# Altium PCB UmTRXv2.PcbDoc (part 23 of 25)
Units mm, origin at the board's own origin, x right, y up, seen from the top; angles counter-clockwise.
Board outline 159.5 x 99.5 mm, 6 copper layers (Top Layer, GND, MidLayer1, Mid-Layer 2, InternalPlane2, Bottom Layer), stack 1.526 mm thick; 708 components, 578 nets, 2802 pads, 1408 vias.
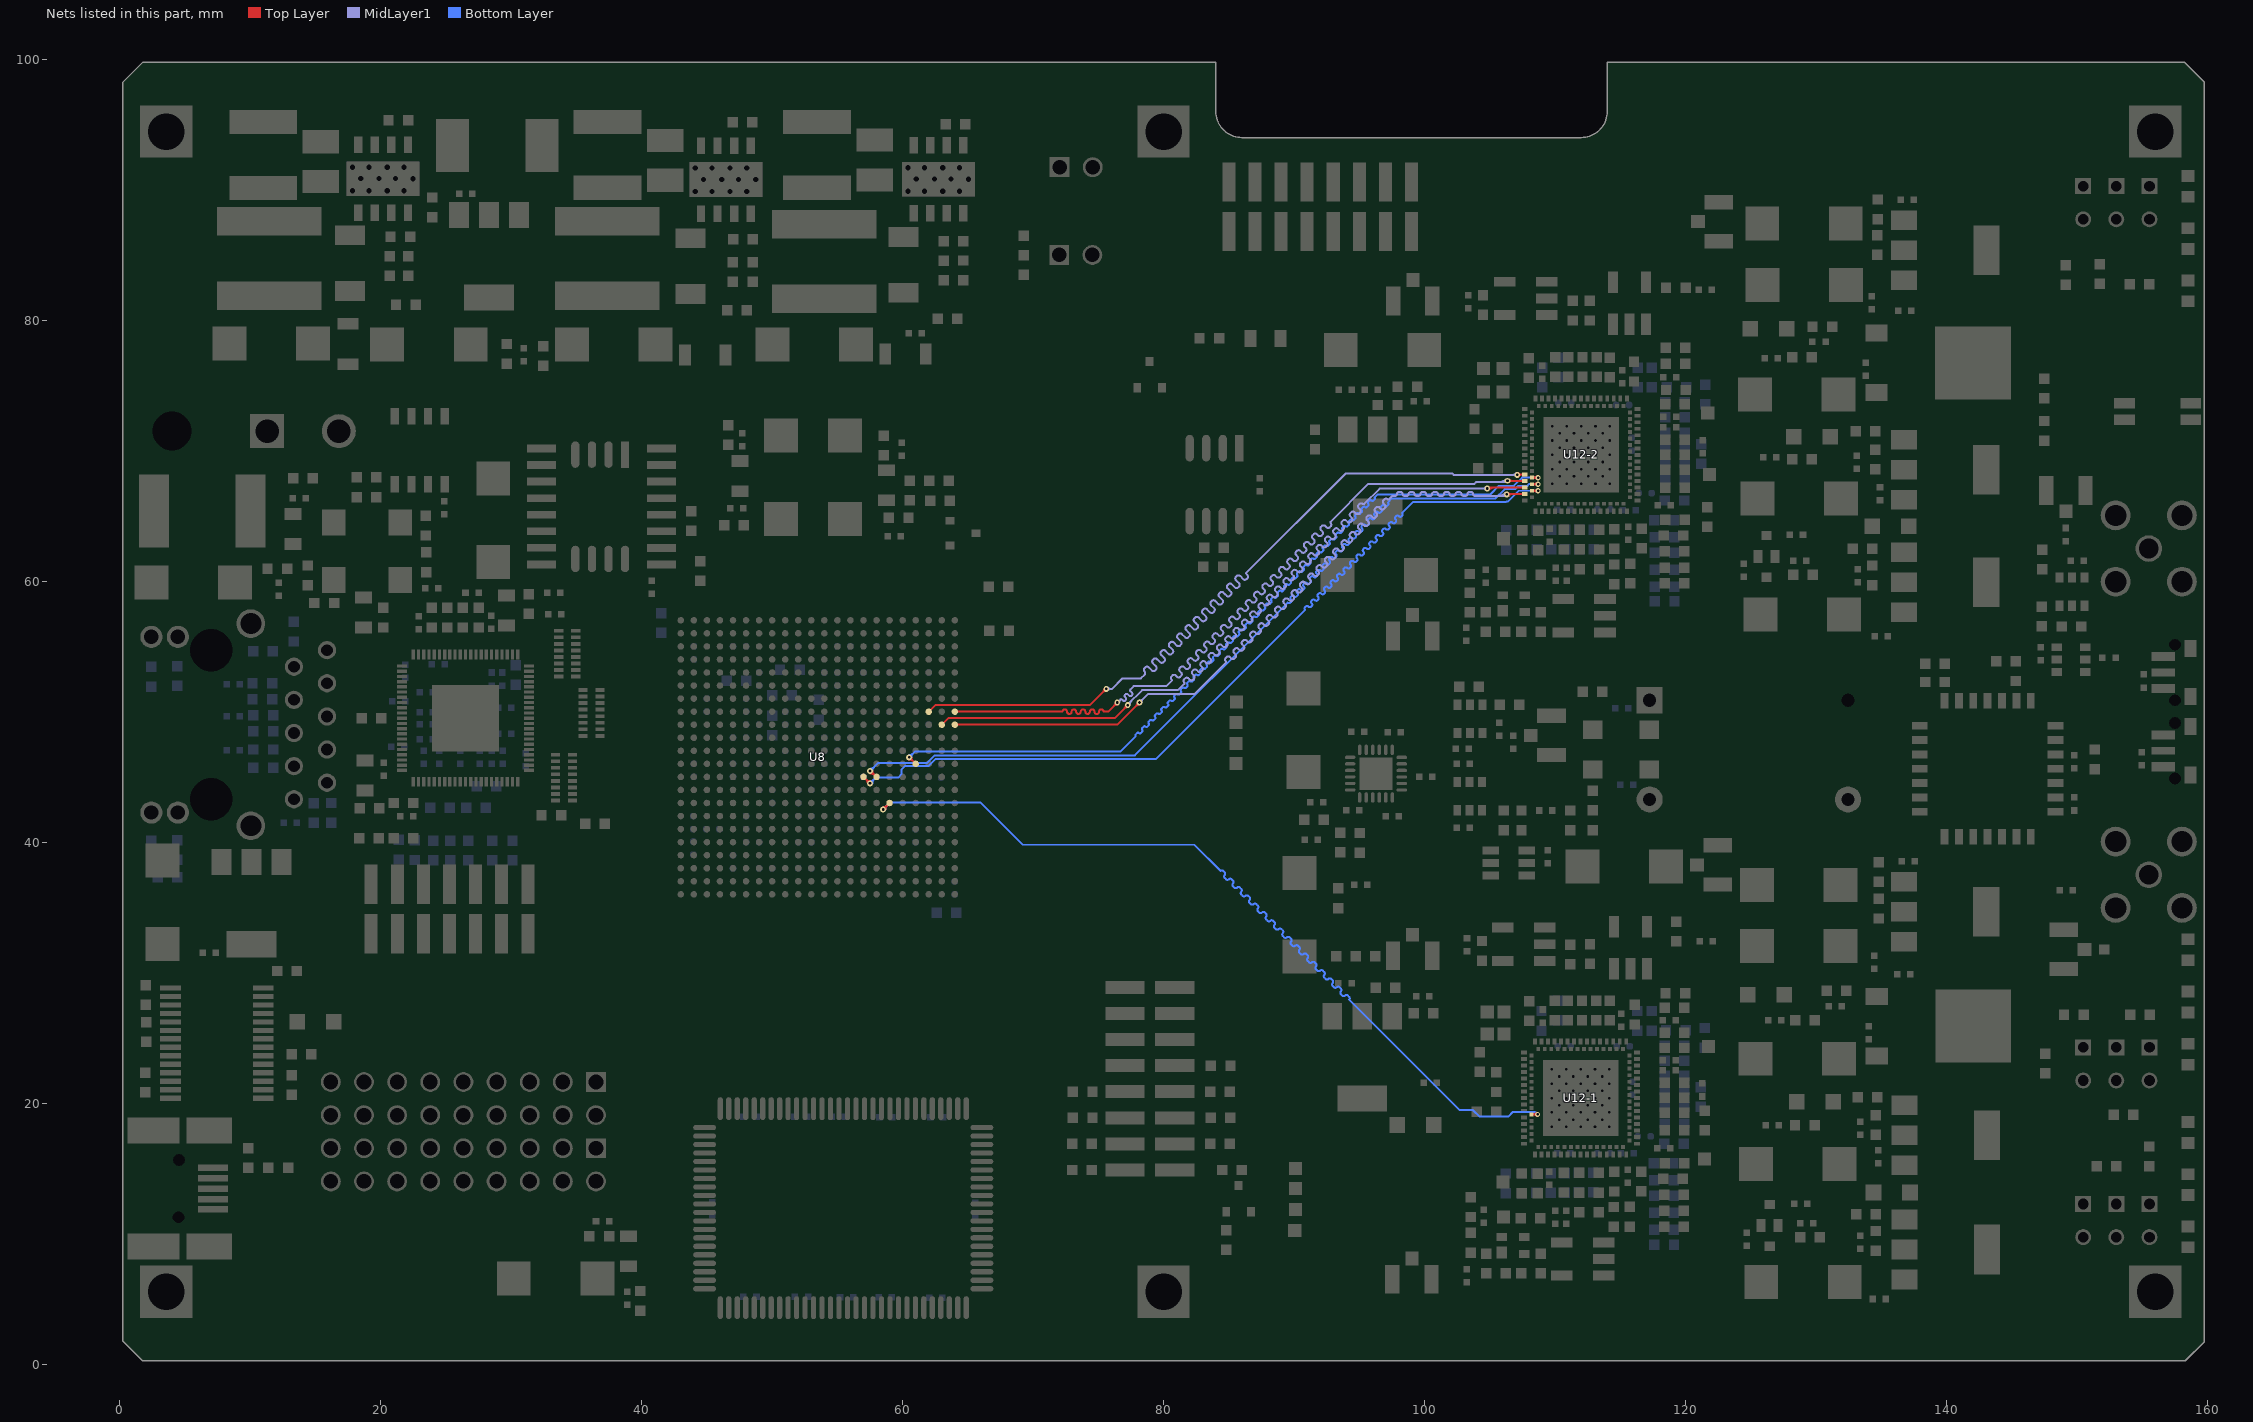
[diagram p27: the nets of this part, all layers, seen from the top]

## Via types
v1: diameter 0.5, hole 0.2, Top Layer to Bottom Layer, tented both sides, 441 vias
v2: diameter 0.45, hole 0.2, Top Layer to Bottom Layer, tented both sides, 429 vias
v3: diameter 0.7, hole 0.3, Top Layer to Bottom Layer, tented both sides, 258 vias
v4: diameter 0.4, hole 0.2, Top Layer to Bottom Layer, tented both sides, 197 vias
v5: diameter 0.8, hole 0.3, Top Layer to Bottom Layer, tented both sides, 61 vias
v6: diameter 0.6, hole 0.25, Top Layer to Bottom Layer, tented both sides, 16 vias
v7: diameter 0.6, hole 0.3, Top Layer to Bottom Layer, tented both sides, 4 vias
v8: diameter 1, hole 0.5, Top Layer to Bottom Layer, tented both sides, 2 vias

## Nets (pads, with @x,y where several pads share a name; then routed paths per layer and width w, separated by ;. In a path a pad name is that pad's centre, name@x,y a point inside that pad or via, vN(x,y) a via of type N, cw(c..) or ccw(c..) an arc to the next point about the centre after c; other vN are vias at no path point) (continued)
TX1IQSEL: U8.H6 U12-1.20 | length 76.3
  Top Layer w0.15: v2@58.5,42.675 ccw(c58.5,43.097) 58.799,42.799 ccw(c59.097,42.5) v2@58.675,42.5 ; 58.689,42.701 ccw(c58.757,42.447) v2(58.5,42.5) ; 58.701,42.689 cw(c58.447,42.757) v2(58.5,42.5) ; U8.H6@59,43 v2(58.5,42.5) ; v2(58.5,42.5) ccw(c58.409,42.83) 58.74,42.741 cw(c58.409,42.83) v2(58.5,42.5) ; v2(58.5,42.5) cw(c58.83,42.409) 58.741,42.74 ccw(c58.83,42.409) v2(58.5,42.5) ; 58.756,42.756 cw(c58.5,43.012) 58.5,42.65 ccw(c58.5,43.012) 58.756,42.756 ; 58.756,42.756 ccw(c59.012,42.5) 58.65,42.5 cw(c59.012,42.5) 58.756,42.756
  Top Layer w0.2: U12-1.20@108.207,19.138 v4@108.632,19.138 ; 108.416,19.138 cw(c108.416,18.897) v4@108.586,19.067 ; 108.416,19.138 ccw(c108.416,19.379) v4@108.586,19.209 ; 108.416,19.138 ccw(c108.416,19.379) v4@108.586,19.209 ; 108.416,19.138 cw(c108.416,18.897) v4@108.586,19.067 ; 108.416,19.138 ccw(c108.416,19.379) v4@108.586,19.209 ; 108.416,19.138 cw(c108.416,18.897) v4@108.586,19.067
  Bottom Layer w0.15: v2@58.5,42.675 ccw(c58.5,43.097) 58.799,42.799 ccw(c59.097,42.5) v2@58.675,42.5 ; v4(108.657,19.138) 108.627,19.138 108.445,19.32 ; v2(58.5,42.5) ccw(c58.409,42.83) 58.74,42.741 cw(c58.409,42.83) v2(58.5,42.5) ; v2(58.5,42.5) cw(c58.83,42.409) 58.741,42.74 ccw(c58.83,42.409) v2(58.5,42.5) ; v2(58.5,42.5) 59.025,43.025 65.971,43.025 69.196,39.8 82.35,39.8 84.359,37.791 cw(c84.465,37.685) 84.571,37.791 84.677,37.685 cw(c84.571,37.579) 84.677,37.473 ccw(c84.783,37.367) 84.677,37.261 84.783,37.155 ccw(c84.889,37.261) 84.995,37.155 cw(c85.102,37.048) 85.208,37.155 85.314,37.048 cw(c85.208,36.942) 85.314,36.836 ccw(c85.42,36.73) 85.314,36.624 85.42,36.518 ccw(c85.526,36.624) 85.632,36.518 cw(c85.738,36.412) 85.844,36.518 85.95,36.412 cw(c85.844,36.306) 85.95,36.2 ccw(c86.056,36.094) 85.95,35.988 86.056,35.882 ccw(c86.162,35.988) 86.268,35.882 cw(c86.374,35.776) 86.48,35.882 86.586,35.776 cw(c86.48,35.67) 86.586,35.564 ccw(c86.693,35.457) 86.586,35.351 86.693,35.245 ccw(c86.799,35.351) 86.905,35.245 cw(c87.011,35.139) 87.117,35.245 87.223,35.139 cw(c87.117,35.033) 87.223,34.927 ccw(c87.329,34.821) 87.223,34.715 87.329,34.609 ccw(c87.435,34.715) 87.541,34.609 cw(c87.647,34.503) 87.753,34.609 87.859,34.503 cw(c87.753,34.397) 87.859,34.291 ccw(c87.965,34.185) 87.859,34.079 87.965,33.973 ccw(c88.071,34.079) 88.177,33.973 cw(c88.284,33.866) 88.39,33.973 88.496,33.866 cw(c88.39,33.76) 88.496,33.654 ccw(c88.602,33.548) 88.496,33.442 88.602,33.336 ccw(c88.708,33.442) 88.814,33.336 cw(c88.92,33.23) 89.026,33.336 89.132,33.23 cw(c89.026,33.124) 89.132,33.018 ccw(c89.238,32.912) 89.132,32.806 89.238,32.7 ccw(c89.344,32.806) 89.45,32.7 cw(c89.556,32.594) 89.662,32.7 89.768,32.594 cw(c89.662,32.488) 89.768,32.382 ccw(c89.875,32.275) 89.768,32.169 89.875,32.063 ccw(c89.981,32.169) 90.087,32.063 cw(c90.193,31.957) 90.299,32.063 90.405,31.957 cw(c90.299,31.851) 90.405,31.745 ccw(c90.511,31.639) 90.405,31.533 90.511,31.427 ccw(c90.617,31.533) 90.723,31.427 cw(c90.829,31.321) 90.935,31.427 91.041,31.321 cw(c90.935,31.215) 91.041,31.109 ccw(c91.147,31.003) 91.041,30.897 91.147,30.791 ccw(c91.253,30.897) 91.359,30.791 cw(c91.466,30.684) 91.572,30.791 91.678,30.684 cw(c91.572,30.578) 91.678,30.472 ccw(c91.784,30.366) 91.678,30.26 91.784,30.154 ccw(c91.89,30.26) 91.996,30.154 cw(c92.102,30.048) 92.208,30.154 92.314,30.048 cw(c92.208,29.942) 92.314,29.836 ccw(c92.42,29.73) 92.314,29.624 92.42,29.518 ccw(c92.526,29.624) 92.632,29.518 cw(c92.738,29.412) 92.844,29.518 92.95,29.412 cw(c92.844,29.306) 92.95,29.2 ccw(c93.056,29.094) 92.95,28.987 93.056,28.881 ccw(c93.163,28.987) 93.269,28.881 cw(c93.375,28.775) 93.481,28.881 93.587,28.775 cw(c93.481,28.669) 93.587,28.563 ccw(c93.693,28.457) 93.587,28.351 93.693,28.245 ccw(c93.799,28.351) 93.905,28.245 cw(c94.011,28.139) 94.117,28.245 94.223,28.139 cw(c94.117,28.033) 94.223,27.927 102.692,19.458 103.427,19.458 103.44,19.472 103.7,19.472 104.211,18.96 106.411,18.96 106.771,19.32 108.445,19.32 ; 58.756,42.756 cw(c58.5,43.012) 58.5,42.65 ccw(c58.5,43.012) 58.756,42.756 ; 58.756,42.756 ccw(c59.012,42.5) 58.65,42.5 cw(c59.012,42.5) 58.756,42.756 ; 108.445,19.32 ccw(c108.596,19.472) v4@108.634,19.261 ; 108.445,19.32 ccw(c108.596,19.472) v4@108.634,19.261 ; 108.445,19.32 ccw(c108.596,19.472) v4@108.634,19.261 ; 108.465,19.3 cw(c108.303,19.138) v4@108.532,19.138 ; 108.465,19.3 cw(c108.303,19.138) v4@108.532,19.138 ; 108.465,19.3 cw(c108.303,19.138) v4@108.532,19.138
TX2D0: U8.R3 U12-2.21 | length 75.2
  Top Layer w0.15: U8.R3@62,50 62.5,50.5 74.35,50.5 v2(75.6,51.75) ; v2(107.1,68.15) 107.062,68.15 v2@107.032,68.18 ; U12-2.21@107.671,68.18 v2@107.032,68.18 ; 75.344,51.494 cw(c75.6,51.238) v2@75.6,51.6 ; 75.344,51.494 ccw(c75.088,51.75) v2@75.45,51.75 ; 75.344,51.494 ccw(c75.088,51.75) v2@75.45,51.75 ; 75.344,51.494 cw(c75.6,51.238) v2@75.6,51.6 ; 75.344,51.494 ccw(c75.088,51.75) v2@75.45,51.75 ; 75.344,51.494 cw(c75.6,51.238) v2@75.6,51.6 ; 75.399,51.561 cw(c75.653,51.493) v2(75.6,51.75) ; 75.399,51.561 cw(c75.653,51.493) v2(75.6,51.75) ; 75.399,51.561 cw(c75.653,51.493) v2(75.6,51.75) ; 75.411,51.549 ccw(c75.343,51.803) v2(75.6,51.75) ; 75.411,51.549 ccw(c75.343,51.803) v2(75.6,51.75) ; 75.411,51.549 ccw(c75.343,51.803) v2(75.6,51.75) ; v2@107.032,68.18 107.03,68.18 107,68.15 107,68.2 107,68.212 v2@107.032,68.18 ; v2@107.206,68.044 cw(c107.534,67.716) U12-2.21@107.534,68.18 ; v2@107.206,68.044 cw(c107.534,67.716) U12-2.21@107.534,68.18 ; v2@107.206,68.044 cw(c107.534,67.716) U12-2.21@107.534,68.18 ; v2@107.206,68.256 ccw(c107.39,68.44) 107.39,68.18 ; v2@107.206,68.256 ccw(c107.39,68.44) 107.39,68.18 ; v2@107.206,68.256 ccw(c107.39,68.44) 107.39,68.18
  MidLayer1 w0.15: v2(75.6,51.75) 76.05,51.75 76.85,52.55 78.25,52.55 78.539,52.839 ccw(c78.419,52.959) 78.539,53.079 cw(c78.666,53.207) 78.539,53.334 78.603,53.398 cw(c78.73,53.27) 78.857,53.398 78.977,53.277 79.098,53.157 ccw(c79.225,53.284) 79.352,53.157 79.416,53.221 ccw(c79.288,53.348) 79.416,53.475 79.175,53.716 cw(c79.303,53.843) 79.175,53.97 79.239,54.034 cw(c79.366,53.907) 79.493,54.034 79.614,53.914 79.734,53.793 ccw(c79.861,53.921) 79.988,53.793 80.052,53.857 ccw(c79.925,53.984) 80.052,54.112 79.932,54.232 79.812,54.352 cw(c79.939,54.479) 79.812,54.607 79.875,54.67 cw(c80.003,54.543) 80.13,54.67 80.25,54.55 80.37,54.43 ccw(c80.498,54.557) 80.625,54.43 80.688,54.494 ccw(c80.561,54.621) 80.688,54.748 80.568,54.868 80.448,54.988 cw(c80.575,55.116) 80.448,55.243 80.512,55.307 cw(c80.639,55.179) 80.766,55.307 81.007,55.066 ccw(c81.134,55.194) 81.261,55.066 81.325,55.13 ccw(c81.198,55.257) 81.325,55.384 81.205,55.505 81.084,55.625 cw(c81.212,55.752) 81.084,55.879 81.148,55.943 cw(c81.275,55.816) 81.403,55.943 81.643,55.703 ccw(c81.77,55.83) 81.898,55.703 81.961,55.766 ccw(c81.834,55.894) 81.961,56.021 81.841,56.141 81.721,56.261 cw(c81.848,56.389) 81.721,56.516 81.785,56.579 cw(c81.912,56.452) 82.039,56.579 82.159,56.459 82.279,56.339 ccw(c82.407,56.466) 82.534,56.339 82.598,56.403 ccw(c82.47,56.53) 82.598,56.657 82.477,56.777 82.357,56.898 cw(c82.485,57.025) 82.357,57.152 82.421,57.216 cw(c82.548,57.089) 82.675,57.216 82.796,57.096 82.916,56.975 ccw(c83.043,57.103) 83.17,56.975 83.234,57.039 ccw(c83.107,57.166) 83.234,57.294 82.994,57.534 cw(c83.121,57.661) 82.994,57.789 83.057,57.852 cw(c83.185,57.725) 83.312,57.852 83.432,57.732 83.552,57.612 ccw(c83.68,57.739) 83.807,57.612 83.87,57.675 ccw(c83.743,57.803) 83.87,57.93 83.63,58.17 cw(c83.757,58.298) 83.63,58.425 83.694,58.489 cw(c83.821,58.361) 83.948,58.489 84.068,58.368 84.189,58.248 ccw(c84.316,58.376) 84.443,58.248 84.507,58.312 ccw(c84.38,58.439) 84.507,58.566 84.387,58.687 84.266,58.807 cw(c84.394,58.934) 84.266,59.061 84.33,59.125 cw(c84.457,58.998) 84.585,59.125 84.705,59.005 84.825,58.885 ccw(c84.952,59.012) 85.08,58.885 85.143,58.948 ccw(c85.016,59.076) 85.143,59.203 85.023,59.323 84.903,59.443 cw(c85.03,59.571) 84.903,59.698 84.966,59.761 cw(c85.094,59.634) 85.221,59.761 85.461,59.521 ccw(c85.589,59.648) 85.716,59.521 85.78,59.585 ccw(c85.652,59.712) 85.78,59.839 85.659,59.959 85.539,60.08 cw(c85.667,60.207) 85.539,60.334 85.603,60.398 cw(c85.73,60.271) 85.857,60.398 86.098,60.157 ccw(c86.225,60.285) 86.352,60.157 86.416,60.221 ccw(c86.289,60.348) 86.416,60.476 86.296,60.596 93.95,68.25 102.125,68.25 102.225,68.15 107,68.15 107,68.212 107.062,68.15 v2(107.1,68.15) ; v2@75.706,51.644 cw(c75.962,51.388) 75.962,51.75 ; v2@75.706,51.644 cw(c75.962,51.388) 75.962,51.75 ; v2@75.706,51.644 cw(c75.962,51.388) 75.962,51.75 ; v2@75.706,51.856 ccw(c75.962,52.112) 75.962,51.75 ; v2@75.706,51.856 ccw(c75.962,52.112) 75.962,51.75 ; v2@75.706,51.856 ccw(c75.962,52.112) 75.962,51.75 ; 106.738,68.15 ccw(c106.738,68.512) v2@106.994,68.256 ; 106.738,68.15 ccw(c106.738,68.512) v2@106.994,68.256 ; 106.738,68.15 ccw(c106.738,68.512) v2@106.994,68.256 ; 106.738,68.15 cw(c106.738,67.788) v2@106.994,68.044 ; 106.738,68.15 cw(c106.738,67.788) v2@106.994,68.044 ; 106.738,68.15 cw(c106.738,67.788) v2@106.994,68.044
TX2D1: U8.L4 U12-2.22 | length 76.2
  Top Layer w0.15: v2@60.5,46.325 cw(c60.5,45.903) 60.799,46.201 cw(c61.097,46.5) v2@60.675,46.5 ; 60.689,46.299 cw(c60.757,46.553) v2(60.5,46.5) ; 60.701,46.311 ccw(c60.447,46.243) v2(60.5,46.5) ; U8.L4@61,46 v2(60.5,46.5) ; v2(60.5,46.5) ccw(c60.83,46.591) 60.741,46.26 cw(c60.83,46.591) v2(60.5,46.5) ; v2(60.5,46.5) cw(c60.409,46.17) 60.74,46.259 ccw(c60.409,46.17) v2(60.5,46.5) ; 60.756,46.244 cw(c61.012,46.5) 60.65,46.5 ccw(c61.012,46.5) 60.756,46.244 ; 60.756,46.244 ccw(c60.5,45.988) 60.5,46.35 cw(c60.5,45.988) 60.756,46.244
  Top Layer w0.2: U12-2.22@108.246,67.93 v4@108.671,67.93 ; 108.455,67.93 cw(c108.455,67.688) v4@108.625,67.859 ; 108.455,67.93 ccw(c108.455,68.171) v4@108.625,68.001 ; 108.455,67.93 ccw(c108.455,68.171) v4@108.625,68.001 ; 108.455,67.93 cw(c108.455,67.688) v4@108.625,67.859 ; 108.455,67.93 ccw(c108.455,68.171) v4@108.625,68.001 ; 108.455,67.93 cw(c108.455,67.688) v4@108.625,67.859
  Bottom Layer w0.15: v2@60.5,46.675 ccw(c60.5,47.097) 60.799,46.799 ccw(c61.097,46.5) v2@60.675,46.5 ; 78.357,48.749 ccw(c78.428,48.678) 78.357,48.607 cw(c78.286,48.536) 78.357,48.466 78.251,48.36 cw(c78.18,48.43) 78.11,48.36 ccw(c78.039,48.289) 77.968,48.36 77.862,48.254 ccw(c77.933,48.183) 77.862,48.112 76.7,46.95 60.95,46.95 v2(60.5,46.5) ; 78.357,48.749 78.463,48.855 cw(c78.534,48.784) 78.605,48.855 ccw(c78.675,48.925) 78.746,48.855 78.852,48.961 ccw(c78.781,49.031) 78.852,49.102 cw(c78.923,49.173) 78.852,49.244 78.958,49.35 cw(c79.029,49.279) 79.1,49.35 ccw(c79.17,49.42) 79.241,49.35 79.347,49.456 ccw(c79.276,49.526) 79.347,49.597 cw(c79.418,49.668) 79.347,49.739 79.453,49.845 cw(c79.524,49.774) 79.595,49.845 ccw(c79.665,49.915) 79.736,49.845 79.842,49.951 ccw(c79.771,50.021) 79.842,50.092 cw(c79.913,50.163) 79.842,50.234 79.948,50.34 cw(c80.019,50.269) 80.09,50.34 ccw(c80.16,50.41) 80.231,50.34 80.337,50.446 ccw(c80.266,50.516) 80.337,50.587 cw(c80.408,50.658) 80.337,50.729 80.443,50.835 cw(c80.514,50.764) 80.585,50.835 ccw(c80.655,50.905) 80.726,50.835 80.832,50.941 ccw(c80.761,51.011) 80.832,51.082 cw(c80.903,51.153) 80.832,51.223 80.938,51.33 cw(c81.009,51.259) 81.08,51.33 ccw(c81.15,51.4) 81.221,51.33 81.327,51.436 ccw(c81.256,51.506) 81.327,51.577 cw(c81.398,51.648) 81.327,51.718 81.433,51.825 cw(c81.504,51.754) 81.575,51.825 ccw(c81.645,51.895) 81.716,51.825 81.822,51.931 ccw(c81.751,52.001) 81.822,52.072 cw(c81.893,52.143) 81.822,52.213 81.928,52.32 cw(c81.999,52.249) 82.07,52.32 ccw(c82.14,52.39) 82.211,52.319 82.317,52.426 ccw(c82.246,52.496) 82.317,52.567 cw(c82.388,52.638) 82.317,52.708 82.423,52.814 cw(c82.494,52.744) 82.564,52.814 ccw(c82.635,52.885) 82.706,52.814 82.812,52.921 ccw(c82.741,52.991) 82.812,53.062 cw(c82.883,53.133) 82.812,53.203 82.918,53.309 cw(c82.989,53.239) 83.059,53.309 ccw(c83.13,53.38) 83.201,53.309 83.307,53.416 ccw(c83.236,53.486) 83.307,53.557 cw(c83.378,53.628) 83.307,53.698 83.413,53.804 cw(c83.484,53.734) 83.554,53.804 ccw(c83.625,53.875) 83.696,53.804 83.802,53.91 ccw(c83.731,53.981) 83.802,54.052 cw(c83.873,54.123) 83.802,54.193 83.908,54.299 cw(c83.979,54.229) 84.049,54.299 ccw(c84.12,54.37) 84.191,54.299 84.297,54.405 ccw(c84.226,54.476) 84.297,54.547 cw(c84.368,54.618) 84.297,54.688 84.403,54.794 cw(c84.474,54.724) 84.544,54.794 ccw(c84.615,54.865) 84.686,54.794 84.792,54.9 ccw(c84.721,54.971) 84.792,55.042 cw(c84.863,55.113) 84.792,55.183 84.898,55.289 cw(c84.969,55.219) 85.039,55.289 ccw(c85.11,55.36) 85.181,55.289 85.287,55.395 ccw(c85.216,55.466) 85.287,55.537 cw(c85.358,55.608) 85.287,55.678 85.393,55.784 cw(c85.464,55.714) 85.534,55.784 ccw(c85.605,55.855) 85.676,55.784 85.782,55.89 ccw(c85.711,55.961) 85.782,56.032 cw(c85.853,56.103) 85.782,56.173 85.888,56.279 cw(c85.959,56.209) 86.029,56.279 ccw(c86.1,56.35) 86.171,56.279 86.277,56.385 ccw(c86.206,56.456) 86.277,56.527 cw(c86.347,56.597) 86.277,56.668 86.383,56.774 cw(c86.454,56.704) 86.524,56.774 ccw(c86.595,56.845) 86.666,56.774 86.772,56.88 ccw(c86.701,56.951) 86.772,57.022 cw(c86.842,57.092) 86.772,57.163 86.878,57.269 cw(c86.949,57.199) 87.019,57.269 ccw(c87.09,57.34) 87.161,57.269 87.267,57.375 ccw(c87.196,57.446) 87.267,57.517 cw(c87.337,57.587) 87.267,57.658 87.373,57.764 cw(c87.444,57.694) 87.514,57.764 ccw(c87.585,57.835) 87.656,57.764 87.762,57.87 ccw(c87.691,57.941) 87.762,58.012 cw(c87.832,58.082) 87.762,58.153 87.868,58.259 cw(c87.938,58.188) 88.009,58.259 ccw(c88.08,58.33) 88.151,58.259 88.257,58.365 ccw(c88.186,58.436) 88.257,58.507 cw(c88.327,58.577) 88.257,58.648 88.363,58.754 cw(c88.433,58.683) 88.504,58.754 ccw(c88.575,58.825) 88.646,58.754 88.752,58.86 ccw(c88.681,58.931) 88.752,59.002 cw(c88.822,59.072) 88.752,59.143 88.858,59.249 cw(c88.928,59.178) 88.999,59.249 ccw(c89.07,59.32) 89.141,59.249 89.247,59.355 ccw(c89.176,59.426) 89.247,59.497 cw(c89.317,59.567) 89.247,59.638 89.353,59.744 cw(c89.423,59.673) 89.494,59.744 ccw(c89.565,59.815) 89.636,59.744 89.742,59.85 ccw(c89.671,59.921) 89.742,59.992 cw(c89.812,60.062) 89.742,60.133 89.848,60.239 cw(c89.918,60.168) 89.989,60.239 ccw(c90.06,60.31) 90.13,60.239 90.237,60.345 ccw(c90.166,60.416) 90.237,60.487 cw(c90.307,60.557) 90.237,60.628 90.343,60.734 cw(c90.413,60.663) 90.484,60.734 ccw(c90.555,60.805) 90.625,60.734 90.732,60.84 ccw(c90.661,60.911) 90.732,60.982 cw(c90.802,61.052) 90.732,61.123 90.838,61.229 cw(c90.908,61.158) 90.979,61.229 ccw(c91.05,61.3) 91.12,61.229 91.227,61.335 ccw(c91.156,61.406) 91.227,61.477 cw(c91.297,61.547) 91.226,61.618 91.333,61.724 cw(c91.403,61.653) 91.474,61.724 ccw(c91.545,61.795) 91.615,61.724 91.721,61.83 ccw(c91.651,61.901) 91.721,61.971 cw(c91.792,62.042) 91.721,62.113 91.828,62.219 cw(c91.898,62.148) 91.969,62.219 ccw(c92.04,62.29) 92.11,62.219 92.216,62.325 ccw(c92.146,62.396) 92.216,62.466 cw(c92.287,62.537) 92.216,62.608 92.323,62.714 cw(c92.393,62.643) 92.464,62.714 ccw(c92.535,62.785) 92.605,62.714 92.711,62.82 ccw(c92.641,62.891) 92.711,62.961 cw(c92.782,63.032) 92.711,63.103 ; 92.711,63.103 92.818,63.209 cw(c92.888,63.138) 92.959,63.209 ccw(c93.03,63.28) 93.1,63.209 93.206,63.315 ccw(c93.136,63.386) 93.206,63.456 cw(c93.277,63.527) 93.206,63.598 93.312,63.704 cw(c93.383,63.633) 93.454,63.704 ccw(c93.525,63.775) 93.595,63.704 93.701,63.81 ccw(c93.631,63.881) 93.701,63.951 cw(c93.772,64.022) 93.701,64.093 93.807,64.199 cw(c93.878,64.128) 93.949,64.199 ccw(c94.02,64.27) 94.09,64.199 ; 94.09,64.199 94.196,64.305 ccw(c94.126,64.376) 94.196,64.446 cw(c94.267,64.517) 94.196,64.588 94.302,64.694 cw(c94.373,64.623) 94.444,64.694 ccw(c94.515,64.765) 94.585,64.694 ; 94.585,64.694 94.691,64.8 ccw(c94.621,64.871) 94.691,64.941 cw(c94.762,65.012) 94.691,65.083 94.797,65.189 cw(c94.868,65.118) 94.939,65.189 ccw(c95.01,65.26) 95.08,65.189 95.186,65.295 ccw(c95.116,65.366) 95.186,65.436 cw(c95.257,65.507) 95.186,65.578 95.292,65.684 cw(c95.363,65.613) 95.434,65.684 ccw(c95.505,65.755) 95.575,65.684 95.681,65.79 ccw(c95.611,65.861) 95.681,65.931 cw(c95.752,66.002) 95.681,66.073 ; 95.681,66.073 95.787,66.179 ; 95.787,66.179 cw(c95.858,66.108) 95.929,66.179 ccw(c95.999,66.249) 96.07,66.179 96.176,66.285 ccw(c96.106,66.356) 96.176,66.426 96.4,66.65 105.05,66.65 105.7,67.3 106.837,67.3 107.467,67.93 v4(108.696,67.93) ; v2(60.5,46.5) ccw(c60.409,46.83) 60.74,46.741 cw(c60.409,46.83) v2(60.5,46.5) ; v2(60.5,46.5) cw(c60.83,46.409) 60.741,46.74 ccw(c60.83,46.409) v2(60.5,46.5) ; 60.756,46.756 cw(c60.5,47.012) 60.5,46.65 ccw(c60.5,47.012) 60.756,46.756 ; 60.756,46.756 ccw(c61.012,46.5) 60.65,46.5 cw(c61.012,46.5) 60.756,46.756 ; 108.394,67.93 cw(c108.394,67.628) v4@108.608,67.841 ; 108.394,67.93 ccw(c108.394,68.232) v4@108.608,68.018 ; 108.394,67.93 ccw(c108.394,68.232) v4@108.608,68.018 ; 108.394,67.93 cw(c108.394,67.628) v4@108.608,67.841 ; 108.394,67.93 ccw(c108.394,68.232) v4@108.608,68.018 ; 108.394,67.93 cw(c108.394,67.628) v4@108.608,67.841
TX2D2: U8.R1 U12-2.23 | length 76.5
  Top Layer w0.15: U8.R1@64,50 72.25,50 cw(c72.425,50) 72.6,50 ccw(c72.775,50) 72.95,50 cw(c73.125,50) 73.3,50 ccw(c73.475,50) 73.65,50 cw(c73.825,50) 74,50 ccw(c74.175,50) 74.35,50 cw(c74.525,50) 74.7,50 ccw(c74.875,50) 75.05,50 cw(c75.225,50) 75.4,50 75.75,50 v2(76.45,50.7) ; v2@106.335,67.68 U12-2.23@107.671,67.68 ; 76.194,50.444 cw(c76.45,50.188) v2@76.45,50.55 ; 76.194,50.444 ccw(c75.938,50.7) v2@76.3,50.7 ; 76.194,50.444 ccw(c75.938,50.7) v2@76.3,50.7 ; 76.194,50.444 cw(c76.45,50.188) v2@76.45,50.55 ; 76.194,50.444 ccw(c75.938,50.7) v2@76.3,50.7 ; 76.194,50.444 cw(c76.45,50.188) v2@76.45,50.55 ; 76.249,50.511 cw(c76.503,50.443) v2(76.45,50.7) ; 76.249,50.511 cw(c76.503,50.443) v2(76.45,50.7) ; 76.249,50.511 cw(c76.503,50.443) v2(76.45,50.7) ; 76.261,50.499 ccw(c76.193,50.753) v2(76.45,50.7) ; 76.261,50.499 ccw(c76.193,50.753) v2(76.45,50.7) ; 76.261,50.499 ccw(c76.193,50.753) v2(76.45,50.7) ; v2@106.456,67.594 cw(c106.664,67.386) 106.664,67.68 ; v2@106.456,67.594 cw(c106.664,67.386) 106.664,67.68 ; v2@106.456,67.594 cw(c106.664,67.386) 106.664,67.68 ; v2@106.456,67.806 ccw(c106.76,68.11) 106.76,67.68 ; v2@106.456,67.806 ccw(c106.76,68.11) 106.76,67.68 ; v2@106.456,67.806 ccw(c106.76,68.11) 106.76,67.68
  MidLayer1 w0.15: v2(76.45,50.7) 76.661,50.911 cw(c76.745,50.826) 76.83,50.911 76.887,50.854 ccw(c76.971,50.939) 77.056,50.854 77.099,50.897 ccw(c77.014,50.981) 77.099,51.066 77.042,51.123 cw(c77.127,51.208) 77.042,51.292 77.085,51.335 cw(c77.17,51.25) 77.254,51.335 77.368,51.222 ccw(c77.453,51.307) 77.537,51.222 77.58,51.264 ccw(c77.495,51.349) 77.58,51.434 77.467,51.547 cw(c77.552,51.632) 77.467,51.717 77.7,51.95 80.2,51.95 80.61,52.36 ccw(c80.56,52.409) 80.61,52.459 cw(c80.737,52.586) 80.61,52.713 80.673,52.777 cw(c80.801,52.65) 80.928,52.777 80.977,52.727 81.027,52.678 ccw(c81.154,52.805) 81.281,52.678 81.345,52.741 ccw(c81.218,52.869) 81.345,52.996 81.246,53.095 cw(c81.373,53.222) 81.246,53.35 81.31,53.413 cw(c81.437,53.286) 81.564,53.413 81.663,53.314 ccw(c81.79,53.441) 81.918,53.314 81.981,53.378 ccw(c81.854,53.505) 81.981,53.632 81.882,53.731 cw(c82.01,53.859) 81.882,53.986 81.946,54.05 cw(c82.073,53.922) 82.201,54.05 82.3,53.951 ccw(c82.427,54.078) 82.554,53.951 82.618,54.014 ccw(c82.491,54.142) 82.618,54.269 82.568,54.318 82.519,54.368 cw(c82.646,54.495) 82.519,54.622 82.582,54.686 cw(c82.71,54.559) 82.837,54.686 82.936,54.587 ccw(c83.063,54.714) 83.191,54.587 83.254,54.651 ccw(c83.127,54.778) 83.254,54.905 83.205,54.955 83.155,55.004 cw(c83.282,55.131) 83.155,55.259 83.219,55.322 cw(c83.346,55.195) 83.473,55.322 83.572,55.223 ccw(c83.7,55.351) 83.827,55.223 83.891,55.287 ccw(c83.763,55.414) 83.891,55.542 83.792,55.641 cw(c83.919,55.768) 83.792,55.895 83.855,55.959 cw(c83.982,55.831) 84.11,55.959 84.209,55.86 ccw(c84.336,55.987) 84.463,55.86 84.527,55.923 ccw(c84.4,56.051) 84.527,56.178 84.428,56.277 cw(c84.555,56.404) 84.428,56.532 84.492,56.595 cw(c84.619,56.468) 84.746,56.595 84.796,56.546 84.845,56.496 ccw(c84.972,56.623) 85.1,56.496 85.163,56.56 ccw(c85.036,56.687) 85.163,56.814 85.064,56.913 cw(c85.192,57.041) 85.064,57.168 85.128,57.232 cw(c85.255,57.104) 85.383,57.232 85.432,57.182 85.482,57.133 ccw(c85.609,57.26) 85.736,57.133 85.8,57.196 ccw(c85.672,57.323) 85.8,57.451 85.701,57.55 cw(c85.828,57.677) 85.701,57.804 85.764,57.868 cw(c85.892,57.741) 86.019,57.868 86.118,57.769 ccw(c86.245,57.896) 86.373,57.769 86.436,57.833 ccw(c86.309,57.96) 86.436,58.087 86.337,58.186 cw(c86.464,58.313) 86.337,58.441 86.401,58.504 cw(c86.528,58.377) 86.655,58.504 86.754,58.405 ccw(c86.882,58.533) 87.009,58.405 87.073,58.469 ccw(c86.945,58.596) 87.073,58.724 87.023,58.773 86.974,58.823 cw(c87.101,58.95) 86.974,59.077 87.037,59.141 cw(c87.164,59.013) 87.292,59.141 87.391,59.042 ccw(c87.518,59.169) 87.645,59.042 87.709,59.105 ccw(c87.582,59.233) 87.709,59.36 87.659,59.409 87.61,59.459 cw(c87.737,59.586) 87.61,59.713 87.674,59.777 cw(c87.801,59.65) 87.928,59.777 88.027,59.678 ccw(c88.154,59.805) 88.282,59.678 88.345,59.742 ccw(c88.218,59.869) 88.345,59.996 88.246,60.095 cw(c88.374,60.223) 88.246,60.35 88.31,60.414 cw(c88.437,60.286) 88.565,60.414 88.664,60.315 ccw(c88.791,60.442) 88.918,60.315 88.982,60.378 ccw(c88.854,60.505) 88.982,60.633 88.883,60.732 cw(c89.01,60.859) 88.883,60.986 88.946,61.05 cw(c89.074,60.923) 89.201,61.05 89.25,61 89.3,60.951 ccw(c89.427,61.078) 89.554,60.951 89.618,61.015 ccw(c89.491,61.142) 89.618,61.269 89.519,61.368 cw(c89.646,61.495) 89.519,61.623 89.583,61.686 cw(c89.71,61.559) 89.837,61.686 89.887,61.637 89.936,61.587 ccw(c90.064,61.715) 90.191,61.587 90.255,61.651 ccw(c90.127,61.778) 90.255,61.906 90.156,62.005 cw(c90.283,62.132) 90.156,62.259 90.219,62.323 cw(c90.346,62.195) 90.474,62.323 90.573,62.224 ccw(c90.7,62.351) 90.827,62.224 90.891,62.287 ccw(c90.764,62.415) 90.891,62.542 90.792,62.641 cw(c90.919,62.768) 90.792,62.895 90.856,62.959 cw(c90.983,62.832) 91.11,62.959 91.209,62.86 ccw(c91.336,62.987) 91.464,62.86 91.527,62.924 ccw(c91.4,63.051) 91.527,63.178 91.478,63.228 91.428,63.277 cw(c91.556,63.405) 91.428,63.532 91.492,63.596 cw(c91.619,63.468) 91.747,63.596 91.846,63.497 ccw(c91.973,63.624) 92.1,63.497 92.164,63.56 ccw(c92.036,63.687) 92.164,63.815 92.114,63.864 92.065,63.914 cw(c92.192,64.041) 92.065,64.168 92.128,64.232 cw(c92.256,64.105) 92.383,64.232 92.482,64.133 ccw(c92.609,64.26) 92.736,64.133 92.8,64.197 ccw(c92.673,64.324) 92.8,64.451 cw(c92.85,64.501) 92.8,64.55 95.7,67.45 103.81,67.45 103.951,67.591 106.335,67.591 106.35,67.605 v2(106.35,67.7) ; v2@76.6,50.699 cw(c76.907,50.698) 76.754,50.964 ; v2@76.6,50.699 cw(c76.907,50.698) 76.754,50.964 ; v2@76.6,50.699 cw(c76.907,50.698) 76.754,50.964 ; 105.724,67.591 ccw(c105.724,68.326) v2@106.244,67.806 ; 105.724,67.591 ccw(c105.724,68.326) v2@106.244,67.806 ; 105.724,67.591 ccw(c105.724,68.326) v2@106.244,67.806 ; 105.987,67.658 cw(c106.081,67.495) v2@106.231,67.609 ; 105.987,67.658 cw(c106.081,67.495) v2@106.231,67.609 ; 105.987,67.658 cw(c106.081,67.495) v2@106.231,67.609 ; 106.086,67.591 ccw(c106.086,67.963) v2(106.35,67.7) ; 106.086,67.591 ccw(c106.086,67.963) v2(106.35,67.7) ; 106.086,67.591 ccw(c106.086,67.963) v2(106.35,67.7)